# Allegro board A733_PRO2_AXP318_LPDDR4_4X_200BALL_32X1_V1_1.brd (continued)
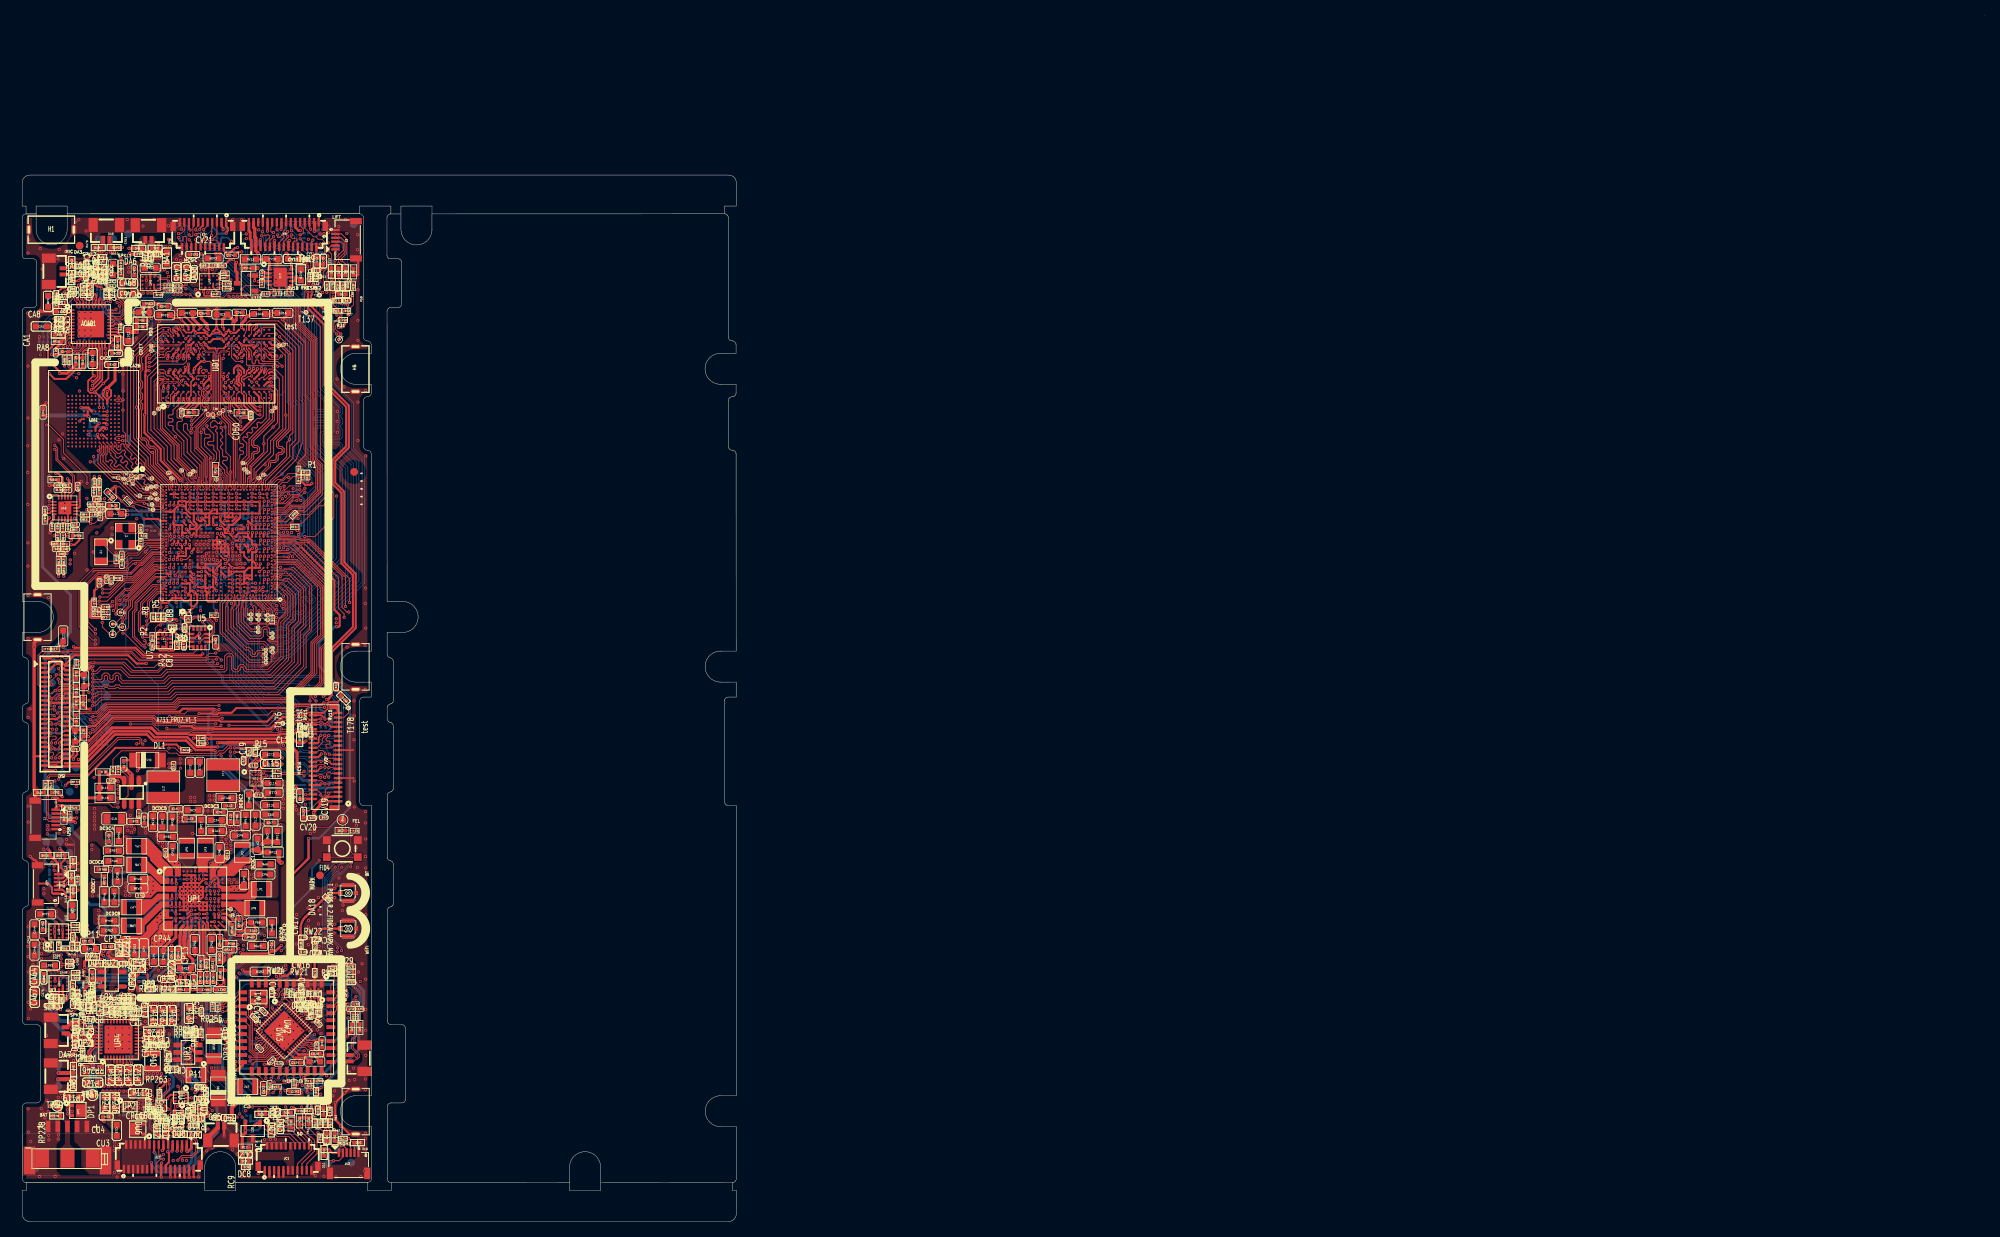
[diagram p0: board, top side]
## Routing (per net, layer and track width the routed paths; a pad name or vN(x,y) marks a point on that pad's centre or on a via; arc(x,y) is an arc through that point) (continued)
X32KIN: length 9.6
  TOP w0.102: U1.W37 18.01,87.44 16.04,87.44 14.85,86.24 13.63,86.24 13.08,85.7 C62.1 12.15,85.7 R18.1 12.13,85.69 Y2.1
X32KOUT: length 9
  TOP w0.102: Y2.2 10.19,85.19 R18.2 12.73,85.19 C70.1 13.76,85.98 14.94,85.98 16.16,87.2 U1.V37
XTAL0: length 3.3
  TOP w0.102: UW3.6 31.62,26.51 31.21,26.51 29.76,27.96 YW1.1
N16420226: length 2.1
  TOP w0.114: v1(31.24,90.85) 31.24,90.83 31.12,90.72 U1.1W2
  BOTTOM w0.102: v1(31.24,90.85) 31.78,91.39 TP10.1
N16421057: length 4
  TOP w0.102: R19.2 15.29,89.16 C69.1 15.15,89.16 14.73,88.75 13.23,88.75 Y1.3
N16846076: length 5.7
  TOP w0.112: J1.4 3.45,51.64 3.13,51.95 3.13,55 DU3.2 3.01,55.56 RU3.1
N16846079: length 5.4
  TOP w0.112: J1.3 3.82,52.14 3.67,51.98 3.44,51.98 3.37,52.05 3.37,54.86 DU2.2 3.68,55.5 RU4.1
N16846184: length 3.4
  TOP w0.102: J1.2 5.34,52.64 DU1.2 6.11,52.58 RU1.2 6.12,53.18 RU6.1 6.55,53.42 RU5.1
N16922585: length 1
  TOP w0.102: U7.1 19.14,76.64 R43.2
N16922662: length 0.8
  TOP w0.254: R42.1 19.84,74.69 U7.11
N16922793: length 1
  TOP w0.114: U7.6 17.31,74.69 R46.1
N16923769: length 1.6
  TOP w0.102: v1(23.25,77.38) 23.6,77.03 U2.1
  BOTTOM w0.102: v1(23.25,77.38) 23.35,77.28 R37.1
N16924183: length 1.1
  TOP w0.114: R36.2 21.42,74.8 U2.7
N17020418: length 1.3
  TOP w0.102: RU8.1 9.41,30 9.72,30.31 UU1.3
N17060945: length 6.7
  TOP w0.102: JC1.20 36.98,10.1 34.95,12.13 DC1.2 33.65,13.16 33.65,13.41 33.41,13.64 33.06,13.64 RC3.1 RC6.2
N17697156: length 1.4
  TOP w0.102: UM1.A6 9.96,99.58 v1(9.81,99.44)
  BOTTOM w0.102: v1(9.81,99.44) 10.3,98.95 RM3.2
N17697160: length 2.4
  TOP w0.254: UM1.J5 10.94,104.01 v1(10.98,103.97)
  BOTTOM w0.254: RM2.2 9.77,104.18 9.98,103.97 v1(10.98,103.97)
N18662749: length 1
  TOP w0.254: UP1.A14 UP1.B14 UP1.B15
N18662765: length 4.9
  BOTTOM w0.102: RP268.2 23.83,46.2 24.19,46.56 24.54,46.56 25,47.01 25,49.53 v1(24.8,49.73)
N18662778: length 10.3
  BOTTOM w0.102: v1(13.37,49.64) 16.12,49.64 16.97,48.78 16.97,47.13 19.95,44.16 RP269.2
N18662816: length 5.4
  BOTTOM w0.102: RP270.2 22.77,45.93 22.45,46.25 22.45,49.85 22.25,50.05 v1(21.99,50.05)
N18662882: length 13
  TOP w0.203: UP1.C13 24.71,44.06 24.71,44.06 24.31,43.66 v1(24.29,43.66)
  TOP w0.406: CP6.2 31.62,49 32.86,49 RP11.1
  TOP w0.508: v1(30.96,48.69) 31.27,49 CP6.2 32.86,49 RP11.1
  BOTTOM w0.381: v1(24.29,43.66) 24.33,43.7 24.33,43.85 24.62,44.14 24.78,44.14 24.88,44.23
  BOTTOM w0.508: 24.88,44.23 29.33,48.69 v1(30.96,48.69)
N18662888: length 9.2
  TOP w0.254: UP1.E13 24.82,43.57 24.85,43.6 v1(24.85,43.62)
  TOP w0.457: v1(29.64,47.91) 29.69,47.96 CP7.2 30.7,47.62 RP13.1
  BOTTOM w0.381: v1(29.64,47.91) 29.49,47.91 25.23,43.65 24.9,43.65 24.88,43.62 v1(24.85,43.62)
N18662918: length 7.4
  BOTTOM w0.102: v1(28.4,50.43) 27.28,49.3 27.28,47.71 26.99,47.43 26.07,47.43 25.67,47.04 25.67,45.86 25.46,45.65 25.44,45.65 RP267.2
N19036844: length 2.8
  TOP w0.102: RA102.2 8.23,123.21 CA16.2 8.31,123.22 8.63,122.89 CA20.1 9.14,123.18 CA19.2 9.48,123.17 RA21.2
N19036851: length 2.7
  TOP w0.102: RA23.2 9.48,122.56 CA22.2 9.29,122.39 CA20.2 8.67,122.21 CA24.1 8.23,122.2 RA103.2
N19036859: length 2.5
  TOP w0.102: RA25.1 12.43,122.6 11.98,122.15 CA21.2 11.28,122.56 RA23.1
N19036860: length 2.4
  TOP w0.102: RA21.1 11.27,123.17 11.66,123.57 CA21.1 11.95,123.57 12.27,123.24 RA19.1
N19036897: length 0.7
  BOTTOM w0.305: RA34.2 5.22,45.21 CA29.2
N19036898: length 0.7
  BOTTOM w0.305: RA35.2 3.51,45.37 CA31.2
N19036918: length 1.4
  TOP w0.203: CA32.2 4.09,115.85 v1(4.08,115.84)
  BOTTOM w0.203: v1(4.08,115.84) 3.87,115.84 RA32.1
N19036920: length 2.5
  TOP w0.102: v1(4.1,116.48) 4.1,116.49 CA28.2
  BOTTOM w0.102: RA31.1 2.7,115.54 3.62,116.47 4.08,116.47 v1(4.1,116.48)
N19037011: length 5.6
  TOP w0.203: UA1.16 9.06,112.08 CA25.1 8.29,112.06 v1(8.24,112.01) ; v1(10.78,112.59) 10.78,112.66 10.66,112.78 UA1.20
  BOTTOM w0.203: v1(8.24,112.01) 9.36,112.01 9.94,112.59 v1(10.78,112.59)
N19037016: length 4.1
  TOP w0.203: UA1.23 12.19,114.78
  TOP w0.254: CA26.1 12.47,112.03 12.96,112.52 12.96,114.01 12.19,114.78
N19037020: length 2.6
  TOP w0.203: UA1.21 11.58,113.98 11.71,113.86
  TOP w0.254: CA26.2 11.25,112.36 11.25,113.22 11.71,113.68 11.71,113.86
N19037031: length 2.2
  TOP w0.203: 9.57,119.3 9.57,118.88 9.46,118.77 UA1.34
  TOP w0.254: CA23.1 8.85,119.63 9.42,119.63 9.57,119.48 9.57,119.3
N20021291: length 14.4
  TOP w0.254: v1(10.36,33.81) 10.17,33.81 9.84,34.14 RP4.2 ; v1(20.86,39.13) 20.82,39.17 UP1.N4
  BOTTOM w0.254: v1(20.86,39.13) 19.44,37.72 17.34,37.72 13.27,33.64 10.54,33.64 10.37,33.81 v1(10.36,33.81)
N20024777: length 6.8
  TOP w0.254: UP1.P6 21.32,37.9
  TOP w0.508: RP22.2 19.65,33.42 20.33,33.42 20.76,33.85 20.76,33.93 20.77,33.95 20.77,33.98 20.91,34.12 20.91,36.42 20.91,36.42 20.91,36.72 21,36.81 21,37.58 21.32,37.9
N20024794: length 12.9
  TOP w0.254: v1(21.85,39.08) 21.82,39.05 UP1.P7
  TOP w0.381: v1(16.07,32.51) 16.03,32.55 RP23.2
  BOTTOM w0.381: v1(16.07,32.51) 15.81,32.78
  BOTTOM w0.508: 15.81,32.78 15.54,33.04 15.54,34.21 15.73,34.4 19.85,34.4 21.43,35.99 21.43,37.76 21.85,38.18 v1(21.85,39.08)
N20027125: length 4.9
  TOP w0.254: RP32.2 23.79,33.93 23.27,34.45 23.27,38.12 UP1.R10
N20027189: length 5.5
  TOP w0.203: 23.63,37.76 23.67,37.79 23.67,38.32 UP1.P10
  TOP w0.254: 23.63,37.76 23.63,34.7 RP33.2
N20027256: length 9.9
  TOP w0.254: v1(22.84,39.68) 22.33,39.68 UP1.M8
  TOP w0.381: v1(26.17,32.41) 26.14,32.44 RP38.2
  L4 w0.254: 23.09,39.52 23,39.52 v1(22.84,39.68)
  L4 w0.305: 23.3,38.81 23.3,39.31 23.09,39.52
  L4 w0.381: 23.3,38.81 23.54,38.57 23.54,35.04 v1(26.17,32.41)
N20028135: length 1.6
  TOP w0.381: RP56.2 27.05,38.27 26.16,39.17 UP1.N15
N20102709: length 1.7
  TOP w0.254: U1.1F21 21.7,83.85 22,83.54 22.05,83.54 v1(22.1,83.49)
  BOTTOM w0.254: C3.2 21.56,83.18 R72.2 21.98,83.37 v1(22.1,83.49)
N20102718: length 0.8
  TOP w0.254: v1(21.08,84.4) 21.08,84.76 21.12,84.81 U1.1H22
  BOTTOM w0.254: C4.2 v1(21.08,84.4)
N20423658: length 3.6
  TOP w0.254: v1(29.97,12.42) 30.03,12.48 30.07,12.48 30.24,12.66 QC1.1
  BOTTOM w0.254: CC1.2 30.23,12.69 v1(29.97,12.42) ; CC1.2 30.2,12.94 RC8.1 29.44,12.94 RC7.2 ; CC1.2 30.23,13.59 RC5.2
N20592319: length 3.7
  TOP w0.114: v1(20.18,89.37) 20.12,89.31 U1.1T24
  BOTTOM w0.102: v1(20.18,89.37) 20.2,89.39 R17.2 19.9,90.03 18.88,90.03 18.24,90.66 R15.2
N20760136: length 152.6
  TOP w0.102: RA7.2 5.55,119.83 v1(5.46,119.93) 5.83,120.3 CA6.2 ; RA100.2 CA3.2 43.26,27.97 CA7.1 43.05,28.19 v1(43.05,28.55)
  L3 w0.102: v1(5.46,119.93) 4.97,120.41 4.97,123.69 9.08,127.79 19.7,127.79 19.71,127.8 20.34,128.42 26.23,128.42 26.7,127.95 26.71,127.95 26.73,127.93 29.81,127.93 29.84,127.95 29.85,127.95 30.29,128.4 39.24,128.4 39.26,128.38 39.27,128.38 39.31,128.35 39.36,128.35 41.64,126.07 41.64,119.25 39.96,117.57 39.96,95.25 43.47,91.75 43.47,76.58 39.9,73.01 39.9,70.46 42.2,68.17 42.2,46.67 42.04,46.52 42.04,46.07 v1(42.36,45.76) ; v1(41.17,34.94) 41.37,34.94 41.93,34.38 41.93,30.29 42.69,29.53 42.69,28.91 43.05,28.55 v1(43.05,28.55)
  BOTTOM w0.102: v1(41.17,34.94) 41.17,35.32 39.8,36.69 39.8,43.84 40.72,44.77 41.09,44.77 42.08,45.76 v1(42.36,45.76)
N20760138: length 155.7
  TOP w0.102: CA9.2 5.87,119.38 5.87,118.94 RA11.2 5.55,118.32 v1(5.42,118.19) ; RA101.2 42.65,27.41 CA12.1 42.65,27.99 CA7.2 42.65,28.08 42.65,28.66 v1(43.05,29.06)
  L3 w0.102: v1(43.05,29.06) 43.05,29.47 42.14,30.38 42.14,34.48 41.31,35.3 v1(40.67,35.3) ; v1(5.42,118.19) 5.3,118.19 4.77,118.72 4.77,123.77 8.99,127.99 19.61,127.99 19.62,128 19.62,128 19.62,128 19.63,128 20.25,128.63 26.31,128.63 26.78,128.16 26.79,128.16 26.82,128.13 29.73,128.13 29.75,128.16 29.77,128.16 30.21,128.6 39.33,128.6 39.34,128.59 39.35,128.59 39.39,128.55 39.44,128.55 41.84,126.15 41.84,119.16 40.17,117.49 40.17,95.34 43.67,91.83 43.67,76.49 40.1,72.92 40.1,70.55 42.4,68.25 42.4,46.28 v1(42.41,46.27)
  BOTTOM w0.102: v1(40.67,35.3) 40.67,35.52 39.6,36.6 39.6,43.92 40.64,44.97 41.01,44.97 42,45.96 42.03,45.96 42.34,46.27 v1(42.41,46.27)
N20760163: length 2
  TOP w0.102: RA11.1 5.05,118.61 RA13.1 3.93,118.61 CA8.2
N20760165: length 1.8
  TOP w0.102: RA7.1 5.04,119.29 RA5.1 3.49,119.29 CA8.1
N20896224: length 5.9
  TOP w0.102: UL2.4 13.15,54.43 13.65,54.93 13.65,57.39 13.08,57.95 RL13.2 11.72,57.95 RL8.2
N20896373: length 2.8
  TOP w0.381: UL2.3 12.66,57.39 11.42,57.39 RL9.1
N20897435: length 4.5
  TOP w0.152: v1(31.5,57.5) 31.35,57.35 30.87,57.35 30.7,57.19 UL1.C3
  TOP w0.305: CL15.2 33.49,59.03 v1(33.5,59.02)
  BOTTOM w0.254: v1(33.5,59.02) 31.99,57.5 v1(31.5,57.5)
N20897437: length 1.4
  TOP w0.152: UL1.A3 30.49,58.18 30.56,58.26
  TOP w0.305: CL15.1 30.56,58.26
N20897982: length 2.8
  TOP w0.076: 31.72,57.14 30.92,57.14 30.78,57 30.31,57 30.12,57.19 UL1.C2
  TOP w0.102: 31.72,57.14 32.06,57.48 RL15.1
N20910481: length 1.8
  TOP w0.089: UL1.D3 30.39,56.69 30.39,56.69 30.34,56.67 30.3,56.65 30.23,56.57 30.2,56.53 30.18,56.49 30.18,56.48 UL1.E2
  TOP w0.152: 30.96,56.69 30.86,56.79 UL1.D3
  TOP w0.381: CL14.1 31.1,56.55 30.96,56.69
N20919223: length 2.8
  TOP w0.076: 31.33,58.19 31,58.19 30.73,57.92 30.73,57.87 30.66,57.8 30.34,57.8 30.13,57.59 UL1.B2
  TOP w0.102: 31.33,58.19 31.41,58.1 RL17.1
N20921053: length 2.2
  TOP w0.305: UV1.4 30.96,121.33 RV15.1 v1(30.45,121.28)
  BOTTOM w0.305: v1(30.45,121.28) 30.74,121.58 CV14.1
N20921148: length 1.1
  TOP w0.254: UV1.6 34.69,119.76 RV17.2
N20921213: length 2.9
  TOP w0.305: UV1.1 31.89,123.81 CV10.1 31.48,124.14 RV13.2
N20923430: length 3.3
  TOP w0.102: JV2.37 41.47,65.02 42.07,65.62 T178.1 42.07,66.85 RV10.1
N20923542: length 5.2
  TOP w0.102: RV9.1 36.27,62.63 T173.1 36.87,63.22 38.09,63.22 38.48,63.22 38.48,63.22 JV2.31
N20925531: length 1
  TOP w0.305: CV12.1 30.92,122.44 31.36,122.44 31.48,122.33 UV1.2
N20925545: length 1
  TOP w0.254: CV12.2 31.03,121.83 UV1.3
N20937598: length 13.1
  TOP w0.254: v1(17.03,8.94) 17.01,8.95 JU1.14
  TOP w0.305: v1(21.38,12.19) 21.74,12.19 RU10.2
  BOTTOM w0.381: v1(17.03,8.94) 17.2,8.76 17.2,7.48 17.8,6.88 21.03,6.88 21.83,7.68 21.83,11.75 v1(21.38,12.19)
N20941002: length 20.1
  TOP w0.254: JU1.13 16.71,7.57 v1(16.66,7.62)
  TOP w0.305: RU9.2 v1(23.69,17.5)
  BOTTOM w0.381: v1(23.69,17.5) 23.69,16.88 25.13,15.44 25.13,11.47 22.32,8.66 22.32,7.43 21.29,6.4 17.51,6.4 16.66,7.25 v1(16.66,7.62)
N20948804: length 3.3
  TOP w0.102: CA86.1 5.24,86.72 CA83.2
  TOP w0.305: RA62.2 5.36,86.01 CA86.1 5.29,86.17 CA83.2 RA61.1 5.28,87.43 CA84.1
N20948834: length 3.4
  TOP w0.102: RA65.2 4.68,87.39 CA89.1
  TOP w0.305: RA63.2 4.74,85.54 CA86.2 4.74,86.7 CA89.1 4.62,86.83 RA65.2 4.59,87.48 CA87.1
N20948860: length 0.6
  TOP w0.305: CA85.2 5.36,84.98 RA62.1
N20948862: length 0.7
  TOP w0.305: RA63.1 4.7,84.99 CA88.2
N20949019: length 3.5
  TOP w0.254: RA66.1 9.96,91.87 CA93.2
  TOP w0.305: RA67.2 9.93,93.28 CA96.1 9.86,92.65 RA66.1 9.97,92.54 CA93.2 9.97,91.31 CA94.1
N20949047: length 2.9
  TOP w0.305: RA68.2 9.25,93.33 CA96.2 9.36,92.65 RA69.2 9.25,91.86 CA99.1 9.26,91.63 9.46,91.42 CA97.1
N20949065: length 0.7
  TOP w0.305: RA67.1 9.96,94.43 CA95.2
N20949067: length 0.7
  TOP w0.305: CA98.2 9.31,94.47 RA68.1
N20949263: length 2.1
  TOP w0.203: UA6.4 3.81,91.66 3.52,91.38 3.05,91.38 CA90.1 RA64.1
N20949310: length 1.1
  TOP w0.203: CA100.1 5.51,90.18 UA6.8
N20957595: length 8
  TOP w0.102: 43.07,47.01 K1.2 ; 43.07,47.01 42.39,47.69 42.39,49.66 43.14,50.41 R34.1 ; 43.07,47.01 K1.1
N20960276: length 2.4
  TOP w0.508: J11.1 25.24,12.14 23.94,10.84 J11.3
N20968451: length 2.6
  TOP w0.102: RA41.1 7.12,33.68 CA48.1
N20968463: length 2.3
  TOP w0.102: RA45.1 6.92,34.79 6.92,33.78 6.67,33.54 CA50.1
N20968465: length 2.5
  TOP w0.203: RA41.2 7.12,36.61 6.78,36.96 6.54,36.96 CA52.2 6.39,37.11 UA3.E2
N20968467: length 1.6
  TOP w0.203: UA3.E1 6.3,36.61 6.3,36.61 6.39,36.61 CA52.1 6.54,35.82 RA45.2
N20968881: length 3.1
  TOP w0.102: v1(26.91,121.47) 26.91,121.29 RA42.1
  BOTTOM w0.102: v1(26.91,121.47) 26.25,120.81 26.25,120.13 25.84,119.72 CA47.1
N20968890: length 2.6
  TOP w0.102: RA46.1 27.12,120.36 v1(27.13,120.37)
  BOTTOM w0.102: v1(27.13,120.37) 26.83,120.06 26.51,120.06 25.57,119.12 CA49.1
N20968892: length 1.6
  TOP w0.102: UA2.E2 v1(25.58,121.01) 25.59,121 RA42.2
  BOTTOM w0.102: v1(25.58,121.01) 25.43,120.85 CA51.2
N20968894: length 1.6
  TOP w0.102: UA2.E1 25.52,120.51 v1(25.61,120.42) 25.67,120.36 RA46.2
  BOTTOM w0.102: v1(25.61,120.42) 25.54,120.35 CA51.1
N20973990:
  vias: v1(16.21,119.82) v1(16.73,119.82)
N20973992:
  vias: v1(15.08,119.77) v1(15.59,119.77)
N20974080: length 0.7
  TOP w0.102: RA53.1 19.1,120.76 CA70.1
N20974082: length 0.7
  TOP w0.102: RA57.1 19.09,120.13 CA72.1
N20974084: length 1.6
  TOP w0.102: UA5.E2 v1(18,120.88) 18.11,120.77 RA53.2
  BOTTOM w0.102: v1(18,120.88) 17.98,120.86 CA74.2
N20974086: length 1.7
  TOP w0.102: RA57.2 18.35,120.36 v1(18,120.36) 17.98,120.38 UA5.E1
  BOTTOM w0.102: CA74.1 18,120.36 v1(18,120.36)
N20979571: length 0.8
  TOP w0.102: CA69.1 7.14,28.32 RA51.1
N20979573: length 0.8
  TOP w0.102: CA71.1 6.48,28.33 RA55.1
N20979585: length 2.4
  TOP w0.102: UA4.E2 5.97,30.44 6.33,30.81 CA73.2 6.76,30.61 6.77,30.61 7.14,30.24 RA51.2
N20979587: length 1.7
  TOP w0.102: UA4.E1 5.85,29.94 6.21,30.31 CA73.1 6.56,29.66 RA55.2
N21687669: length 3.1
  TOP w0.114: U1.1N3 30.62,87.73 30.74,87.84 30.74,87.92 v1(30.75,87.93)
  BOTTOM w0.114: v1(30.75,87.93) 30.75,87.72 31.27,87.2 31.84,87.2 32.4,86.64 RW1.1
N21811243: length 1.6
  TOP w0.254: v1(25.09,84.05) 25.09,84.29 25.62,84.82 U1.1H13
  BOTTOM w0.254: v1(25.09,84.05) 24.95,84.05 R73.2
N21811309: length 1.9
  TOP w0.254: U1.1G15 24.62,84.22 24.63,84.22 24.63,83.88 24.62,83.87 U1.1F15 24.96,83.51 v1(25.12,83.51)
  BOTTOM w0.254: R75.2 25.12,82.86 v1(25.12,83.51)
N21811321: length 5.7
  TOP w0.254: v1(25.03,78.82) 24.97,78.76 R74.2 ; v1(25.09,82.27) 25.09,82.29 24.96,82.42 24.96,83.01 U1.1E15
  BOTTOM w0.203: v1(25.09,82.27) 25.09,81.96 24.67,81.54 24.67,79.17 v1(25.03,78.82)
N21845215: length 1.8
  TOP w0.254: UP2.C1 13.11,14.41 13.07,14.36 12.99,14.36 v1(12.91,14.29)
  BOTTOM w0.254: v1(12.91,14.29) 13.06,14.14 RP225.2 13.74,13.7 RP237.1
N21860339: length 2.9
  TOP w0.102: UP4.29 11.03,26.24 10.89,26.38 9.97,26.38 9.52,26.82 9.52,27.19 RP5.1
N21860373: length 1.4
  TOP w0.102: UP4.31 10.04,25.35 9.23,26.16 RP243.1
N21860402: length 3.6
  TOP w0.114: UP4.30 9.92,25.88 9.1,26.69 9.1,26.94 8.56,27.48 CP116.2 8.56,27.48 RP244.1
N21860436: length 1
  TOP w0.254: RP245.2 7.79,22.98 DP2.1
N21860438: length 1.9
  TOP w0.203: 9.68,23.69 UP4.35
  TOP w0.254: DP2.2 8.66,23.32 9.09,23.75 9.62,23.75 9.68,23.69
N21860493: length 5.3
  TOP w0.203: RP246.5 8.85,19.6 8.98,19.72 8.98,20.19 8.4,20.77 CP121.1 8.51,21.05 8.51,22 9.39,22.89 9.57,22.89 9.58,22.89 UP4.37
N21860568: length 4.7
  TOP w0.203: RP246.2 9.41,19.6 9.29,19.72 9.29,20.31 8.9,20.7 CP121.2 8.81,21.03 8.81,21.87 9.43,22.49 UP4.38
N21860645: length 1.1
  TOP w0.102: v1(13.53,20.43) 13.53,20.51 13.43,20.61 UP4.8
  BOTTOM w0.102: v1(13.53,20.43) 13.47,20.5 RP247.1
N21860647: length 1.2
  TOP w0.102: UP4.9 13.83,20.7 13.85,20.7 v1(14.12,20.43)
  BOTTOM w0.102: v1(14.12,20.43) 14.08,20.47 RP248.1
N21860751: length 1.2
  TOP w0.203: CP125.2 15.91,23.29 UP4.15
N21860763: length 2.1
  TOP w0.203: CP124.2 16.6,23.69 UP4.16
N21860949: length 1.2
  TOP w0.112: UP4.23 13.43,26.25 13.37,26.3 13.37,26.69 RP251.2
N21860967: length 1.2
  TOP w0.112: RP252.2 13.13,26.71 13.13,26.35 13.03,26.25 UP4.24
N21861035: length 0.7
  TOP w0.203: RP250.1 17.78,22.72 CP130.1
N21864670: length 2.7
  TOP w0.102: UP3.4 20.68,22.77 21.08,23.18 RP254.1 RP258.1
N21864720: length 2.1
  TOP w0.381: RP255.2 23.01,24.04 RP256.1 22.33,23.17 UP3.3
N21864746: length 1.1
  TOP w0.254: RP257.1 20,20.91 UP3.6
N21916813: length 4.9
  TOP w0.254: RP29.2 22.91,33.98 22.91,37.26 22.82,37.34 22.82,38.67 UP1.P9
N21916865: length 5.5
  TOP w0.254: UP1.M10 23.78,39.67 v1(23.82,39.71)
  TOP w0.381: v1(26.08,36.42) 26.35,36.15 RP36.2
  L4 w0.305: v1(26.08,36.42) 25.22,37.29 25.22,37.34 24.34,38.21 24.34,39.33 23.95,39.71 v1(23.82,39.71)
N21947424: length 1.6
  TOP w0.229: UA2.D2 UA2.D1 25.23,119.91 RA40.2
N21947486: length 2
  TOP w0.254: UA2.C3 UA2.C4 24.06,122.08 24.06,123.05 RA89.2
N21949056:
  vias: v1(17.15,124.26) v1(17.67,124.26) v1(23.9,119.84) v1(24.33,120.12)
N21949059:
  vias: v1(15.36,124) v1(15.87,123.81) v1(22.37,120.23) v1(22.74,119.87)
N21952975: length 1.4
  TOP w0.254: UA5.D2 UA5.D1 17.27,120.13 RA49.2
N21953002: length 1.8
  TOP w0.254: v1(16.53,122.38) 16.52,122.37 UA5.C4 UA5.C3
  BOTTOM w0.254: v1(16.53,122.38) 16.39,122.38 16.1,122.67 RA92.2
N21969075: length 0.9
  TOP w0.203: RA93.2 6.59,37.61 UA3.E3
N21969078: length 0.9
  TOP w0.203: RA94.2 5.87,38.26 UA3.E4
N21970832: length 1.7
  TOP w0.254: v1(5.2,37.63) 5.22,37.61 UA3.D2 UA3.D1
  BOTTOM w0.254: RA95.2 5.2,37.64 v1(5.2,37.63)
N21970854: length 2
  TOP w0.203: UA3.C3 UA3.C4 4.72,38.28 4.4,38.59 v1(4.36,38.59)
  BOTTOM w0.305: RA39.2 3.8,39.15 v1(4.36,38.59)
N21972441: length 1.3
  TOP w0.203: CA67.2 CA64.1
N21973400: length 1.1
  TOP w0.102: UA4.E3 6.13,30.94 RA96.2
N21973402: length 1.2
  TOP w0.102: UA4.E4 5.97,31.44 RA97.2
N21973944: length 1.7
  TOP w0.254: UA4.C4 UA4.C3 v1(4.74,30.48)
  BOTTOM w0.254: RA50.2 4.95,30.69 v1(4.74,30.48)
N21974333: length 1.5
  TOP w0.305: RA98.2 5.24,29.13 UA4.D1 UA4.D2
N21975422: length 1.1
  TOP w0.305: RA52.1 4.4,29.08 4.74,29.42 UA4.C1
N21975425: length 0.9
  TOP w0.305: RA56.1 3.75,29.94 UA4.A1
N21995924: length 2.6
  TOP w0.203: CP137.2 10.8,26.9 11.3,26.4 11.62,26.4 11.64,26.38 11.67,26.38 11.83,26.22 UP4.27
  TOP w0.305: RP249.2 10.8,27.03 CP137.2
N22008209: length 2.4
  TOP w0.102: U1.AD1 32.64,89.53 34.8,89.53 RC1.1
N22008298: length 2.4
  TOP w0.114: v1(30.12,81.74) 30.11,81.74 29.99,81.85 U1.1B5
  BOTTOM w0.102: RV1.1 30.71,82.32 v1(30.12,81.74)
N22008512: length 5
  TOP w0.076: 17.62,91.84 17.99,91.84 18.08,91.76 18.27,91.76 18.51,92 U1.AK36
  TOP w0.102: T109.1 16.89,91.84 17.62,91.84
  TOP w0.114: RM1.1 T109.1
N22031966: length 0.8
  TOP w0.203: RP261.1 16.76,14.56 UP5.A1
N22031968: length 1
  TOP w0.203: RP259.1 18.27,13.95 18.34,14.03 UP5.C1
N22161929: length 2.9
  TOP w0.102: JV2.4 36.58,55.12 v1(36.56,55.09)
  BOTTOM w0.102: RV5.2 37.1,54.55 v1(36.56,55.09) 35.42,55.09 T157.1
N22195541: length 3
  TOP w0.076: U1.AF2 32.18,90.39 32.76,90.39 32.86,90.29 33.05,90.29
  TOP w0.102: RA99.2 34.11,90.29 33.05,90.29
N22198094: length 5.4
  TOP w0.114: U1.1P26 19.28,88.01 19.33,88.01 19.66,88.33 v1(19.66,88.41)
  BOTTOM w0.102: R71.1 16.75,90.97 TP13.1 17.94,89.78 17.94,89.1 18.3,88.75 19.33,88.75 v1(19.66,88.41)
N22198107: length 5.2
  TOP w0.152: v1(19.15,88.41) 19.14,88.43 19.14,88.45 19.12,88.47 U1.1T26
  BOTTOM w0.102: R70.1 16.07,91.01 17.66,89.42 17.66,88.77 TP12.1 18.02,88.41 v1(19.15,88.41)
N22225464: length 2.3
  TOP w0.102: RW34.2 31.73,18.05 31.29,18.05 30.51,18.82 UW2.24
N22225494: length 9.2
  TOP w0.305: RW18.2 CW17.2 35.91,37.85 arc(36.06,38.62) 36.5,39.27 36.54,39.31 DA18.2 39.23,42 arc(39.65,42.29) 40.15,42.39 JW1.1
N22225500: length 3.4
  TOP w0.102: UW2.34 39.8,18.69 39.25,18.15 RW62.1
N22225560: length 3
  TOP w0.305: RW21.2 CW20.2 RW22.1
N22225566: length 4.7
  TOP w0.305: RW22.2 CW21.2 37.71,36.46 arc(38.1,37.4) 39.05,37.79 JW2.1
N22315372: length 3.3
  TOP w0.102: U1.A6 30.57,80.12 31.62,79.08 31.77,79.08 31.97,78.88 31.97,78.4 32.25,78.11 RV26.1
N22390215: length 8
  TOP w0.102: v1(16.15,115.68) 15.93,115.47 RD3.1
  TOP w0.114: UD1.A5 17.73,109.45 v1(17.71,109.47)
  BOTTOM w0.102: 17.54,109.96 17.54,111.19 17.2,111.53 17.2,112.2 16.15,113.26 v1(16.15,115.68)
  BOTTOM w0.127: 17.54,109.96 17.54,109.64 v1(17.71,109.47)
N22390216: length 6.1
  TOP w0.102: RD4.1 16.14,116.28 v1(16.23,116.19)
  TOP w0.114: v1(17.58,111.85) UD1.A8
  BOTTOM w0.102: v1(16.23,116.19) 16.49,115.92 16.49,115.85 16.5,115.84 16.5,113.22 17.58,112.14 v1(17.58,111.85)
N22390237: length 3.4
  TOP w0.114: RD2.1 28.64,104.68 28.33,104.99 28.33,105.35 28.14,105.53 27.85,105.53 27.65,105.73 27.65,106.76 UD1.T2
N22390238: length 3.3
  TOP w0.114: UD1.G2 22.4,106.76 22.4,105.63 22.07,105.31 21.93,105.31 21.36,104.75 RD1.1
N22390587: length 2.4
  TOP w0.076: U1.AT20 24.97,94.63 24.98,95.07 24.94,95.1
  TOP w0.102: 24.94,95.1 24.66,95.39 24.66,96.35 RD5.1
N22390600: length 1.5
  TOP w0.076: U1.AT19 25.13,94.65 25.13,95.29
  TOP w0.102: T1.1 25.03,95.39 25.13,95.29
N22390601: length 0.5
  TOP w0.114: v1(25.63,91.91) 25.69,91.85 U1.1AB12
N22408790: length 1.4
  TOP w0.305: RW36.2 CW2.1 UW1.3
N22408792: length 1.8
  TOP w0.305: RW35.2 CW6.2 38.33,27.9 arc(38.31,28.13) 38.24,28.35 arc(38.22,28.43) 38.21,28.51 UW1.1
N22408809: length 4.3
  TOP w0.102: v1(36.06,26.83) 35.82,26.83 UW3.42
  BOTTOM w0.102: v1(36.06,26.83) 36.08,26.85 36.08,26.85 36.65,27.42 39.1,27.42 CW7.1
N22408824: length 3.7
  TOP w0.102: v1(36.62,26.24) 36.62,26.16 UW3.39
  BOTTOM w0.102: v1(36.62,26.24) 36.62,26.26 36.76,26.4 38.71,26.4 LW3.1
N22408895: length 1.7
  TOP w0.305: 37.36,25.73 CW5.2 arc(38.24,26.12) 38.33,26.57 RW35.1
N22408955: length 4.3
  TOP w0.203: 35.55,21.59 UW3.27
  TOP w0.305: LW1.1 37.66,21.42 37.66,21.5 CW29.1 37.33,21.64 37.24,21.55 35.59,21.55 35.55,21.59
N22409215: length 1.1
  TOP w0.102: LW4.1 35.84,27.35 UW3.43
N22409226: length 3.9
  TOP w0.102: v1(36.57,26.78) 36.27,26.48 35.95,26.48 UW3.41
  BOTTOM w0.102: v1(36.57,26.78) 36.72,26.63 39.22,26.63 CW8.1
N22409275: length 2.4
  TOP w0.102: UW3.31 36.23,22.88 36.86,22.88 37.18,22.57 37.55,22.57 37.82,22.84 CW12.1
N22409321: length 3
  TOP w0.203: 35.02,21.13 UW3.25
  TOP w0.305: LW1.2 36.52,21.13 35.02,21.13
N22409347: length 1.8
  TOP w0.178: UW3.44 35.24,27.24 arc(35.37,27.45) 35.42,27.7
  TOP w0.305: 35.42,27.7 CW30.2 LW5.2
N22409389: length 1.2
  TOP w0.305: CW32.2 CW31.2 LW5.1
N22422546: length 2.3
  TOP w0.102: UW3.45 34.69,27.19 35.06,27.56 35.06,28.91 RW60.2
N22422800: length 2.2
  TOP w0.102: UW3.46 34.81,27.8 34.81,28.49 RW61.2
N22729607: length 1.3
  TOP w0.203: CP142.1 14.72,26.38 14.53,26.38 14.23,26.07 UP4.21
N22729610: length 1.2
  TOP w0.203: CP143.1 14.35,26.74 13.83,26.21 UP4.22
N1920231412: length 1.1
  TOP w0.254: v1(19.88,43.61) 19.82,43.67 UP1.C3
  BOTTOM w0.254: RP21.2 19.87,43.6 v1(19.88,43.61)

## Copper pours and planes (outline as drawn; the poured copper is in the pictures)
AGND on TOP: 20.55,84.01 21.19,84.01 21.27,83.93 21.27,83.5 20.82,83.06 20.14,83.06 20.05,83.15 20.05,83.39 20.46,83.79 20.46,83.92
AGND on BOTTOM: 19.94,84.57 20.35,84.57 20.38,84.54 20.38,84.19 20.62,83.95 20.62,83.53 20.79,83.36 20.79,82.99 20.46,82.66 19.8,82.66 19.76,82.7 19.76,82.99 19.97,83.21 19.97,83.54 19.82,83.69 19.82,84.46
AVCC on BOTTOM: 21.45,84.58 21.74,84.58 21.82,84.51 21.82,84.24 21.95,84.1 21.95,83.78 21.75,83.58 20.85,83.58 20.79,83.64 20.79,83.97 20.85,84.04 21.1,84.04 21.36,84.29 21.36,84.56 21.37,84.57 21.43,84.57
AVCC on L4: 21.84,84.18 21.32,83.66 21.32,83.27 20.65,82.6 18.26,82.6 17.36,81.7 17.36,79.45 18.86,77.95 20.14,77.95 20.33,77.76 20.33,77.24 20.14,77.05 18.82,77.05 16.44,79.43 16.44,82.03 18.28,83.87 19.52,83.87 20.76,85.12 20.76,85.13 21.03,85.4 21.03,86.91 21.21,87.08 24.05,87.08 25.07,86.07 25.54,86.07 26.46,85.14 26.46,84.72 26.36,84.62 25.75,84.62 25.41,84.96 25.41,85.4 25.14,85.66 24.57,85.66 23.58,86.65 21.71,86.65 21.48,86.42 21.48,86.11 21.84,85.75
AVDD on TOP: 31.84,55.98 31.15,55.98 30.62,56.51 30.44,56.51 30.37,56.44 30.37,56.07 30.73,55.71 30.73,55.33 30.56,55.17 30.56,54.82 30.93,54.46 31.86,54.46 32.09,54.69 32.09,55.73
GND on TOP: 23.26,59.88 23.32,59.82 23.32,58.97 23.25,58.89 19.15,58.89 19.11,58.85 18.78,58.85 18.69,58.94 18.69,59.71 18.85,59.88
GND on TOP: 11.46,90.45 14.59,90.45 15.11,89.93 17.2,89.93 17.77,89.36 18.65,89.36 18.96,89.05 18.96,88.54 18.94,88.54 18.8,88.4 18.45,88.4 18.26,88.21 16.33,88.21 15.83,88.71 15.64,88.71 15.55,88.8 15.55,89.27 15.49,89.33 15.08,89.33 14.68,88.92 13.74,88.92 13.7,88.96 13.7,90.11 13.55,90.26 11.87,90.26 11.82,90.21 11.82,88.11 11.97,87.96 12.9,87.96 12.92,87.93 12.92,86.75 13.05,86.63 14.74,86.63 14.78,86.66 14.78,87.43 14.9,87.55 15.67,87.55 15.77,87.65 15.93,87.65 15.96,87.63 15.96,87.57 14.78,86.38 13.52,86.38 13.18,86.04 11.98,86.04 10.88,87.15 9.27,87.15 9.18,87.06 9.18,84.64 9.24,84.58 11.08,84.58 11.3,84.8 13.06,84.8 13.19,84.92 13.19,85.08 13.89,85.77 14.96,85.77 16.92,87.74 17.86,87.74 18.05,87.93 18.82,87.93 18.96,87.79 18.96,87.17 18.65,86.87 16.67,86.87 15.17,85.37 14.1,85.37 13.09,84.35 9.02,84.35 8.74,84.63 8.74,88.34 8.92,88.52 9.96,88.52 10.6,89.15 10.6,89.57 11.13,90.11 11.13,90.12
GND on TOP: 14.97,15.15 15.78,15.15 15.93,15 15.93,14.05 16.34,13.64 16.34,13.2 16.04,12.89 15.47,12.89 15.24,13.12 15.24,13.79 15.31,13.87 15.31,14.21 15.22,14.3 15.1,14.3 14.84,14.55 14.84,15.02
GND on TOP: 32.46,124.6 33.42,124.6 33.52,124.5 33.52,123.51 33.84,123.19 34.03,123.19 34.16,123.06 34.16,120.62 34.1,120.56 32.47,120.56 32.37,120.66 32.37,124.51